# Allegro board F071_HCHO_V10.brd
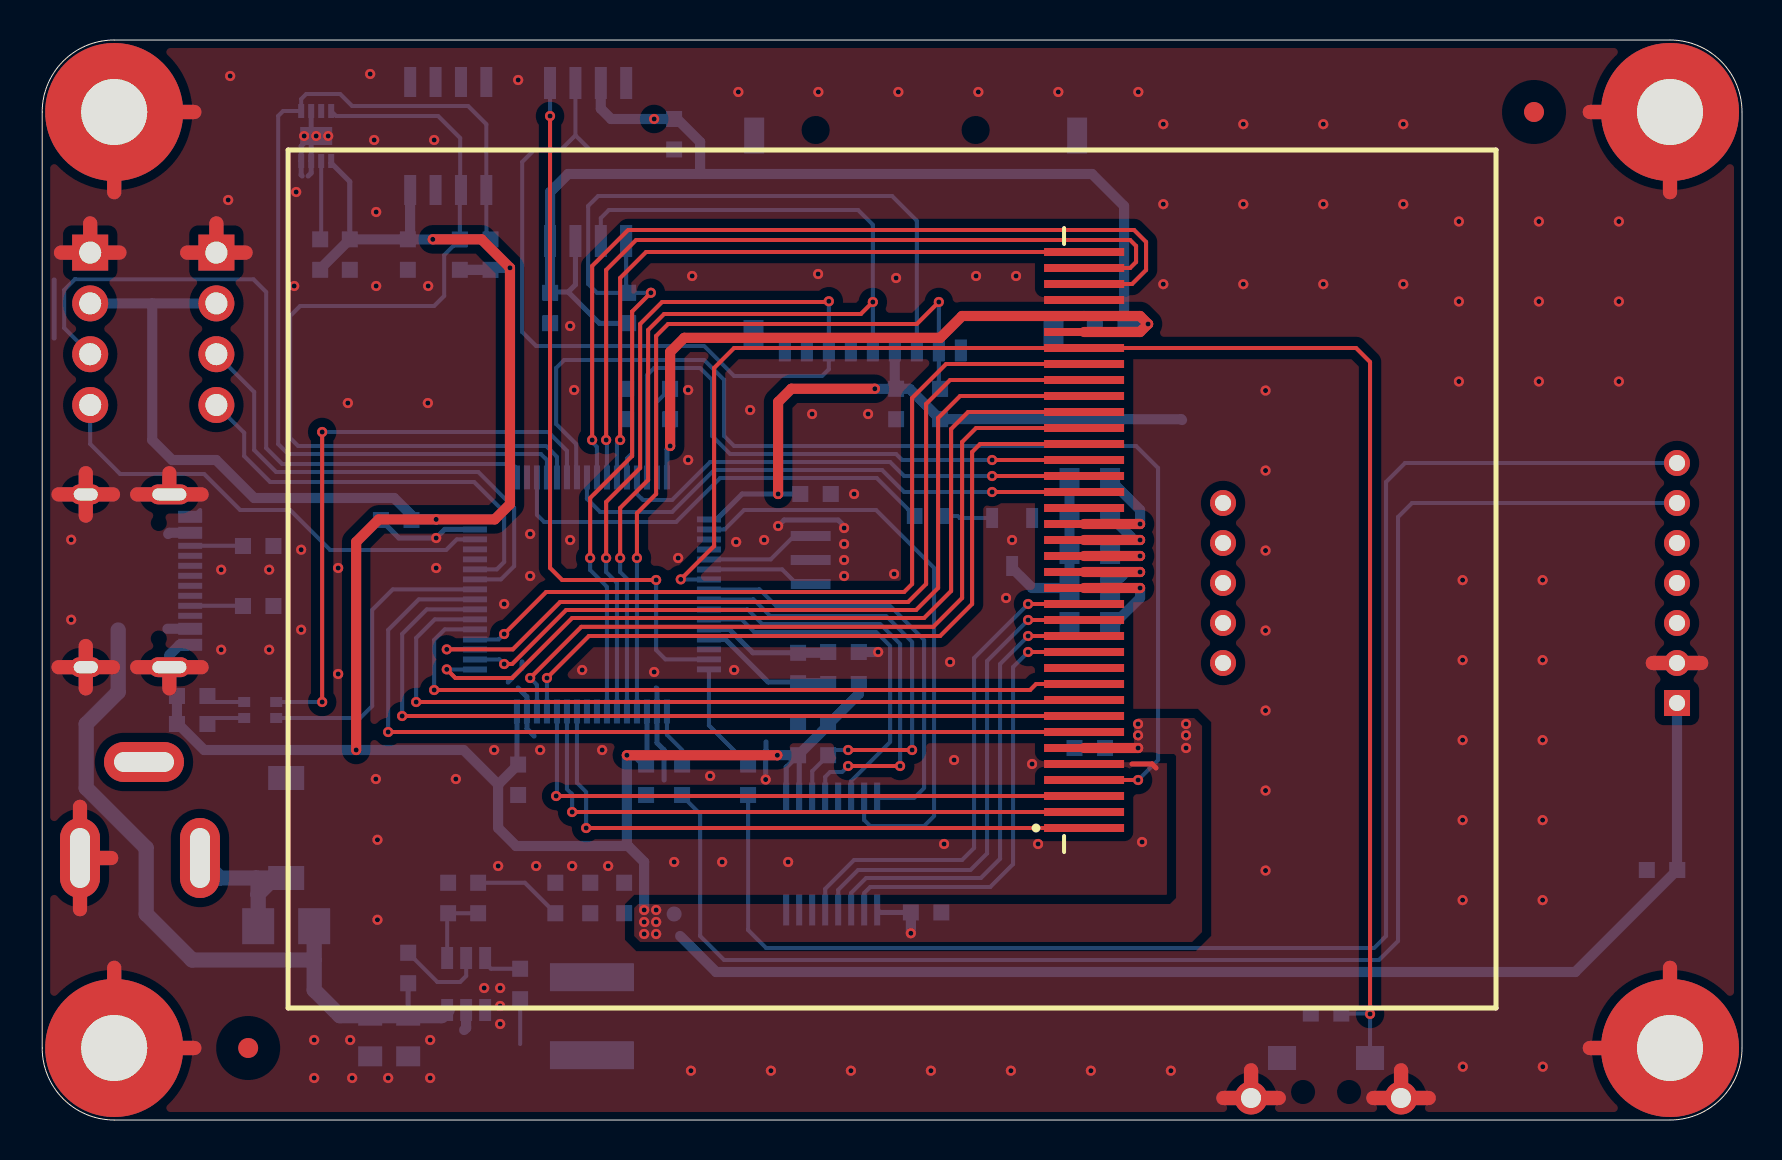
[diagram p0: board, top side]
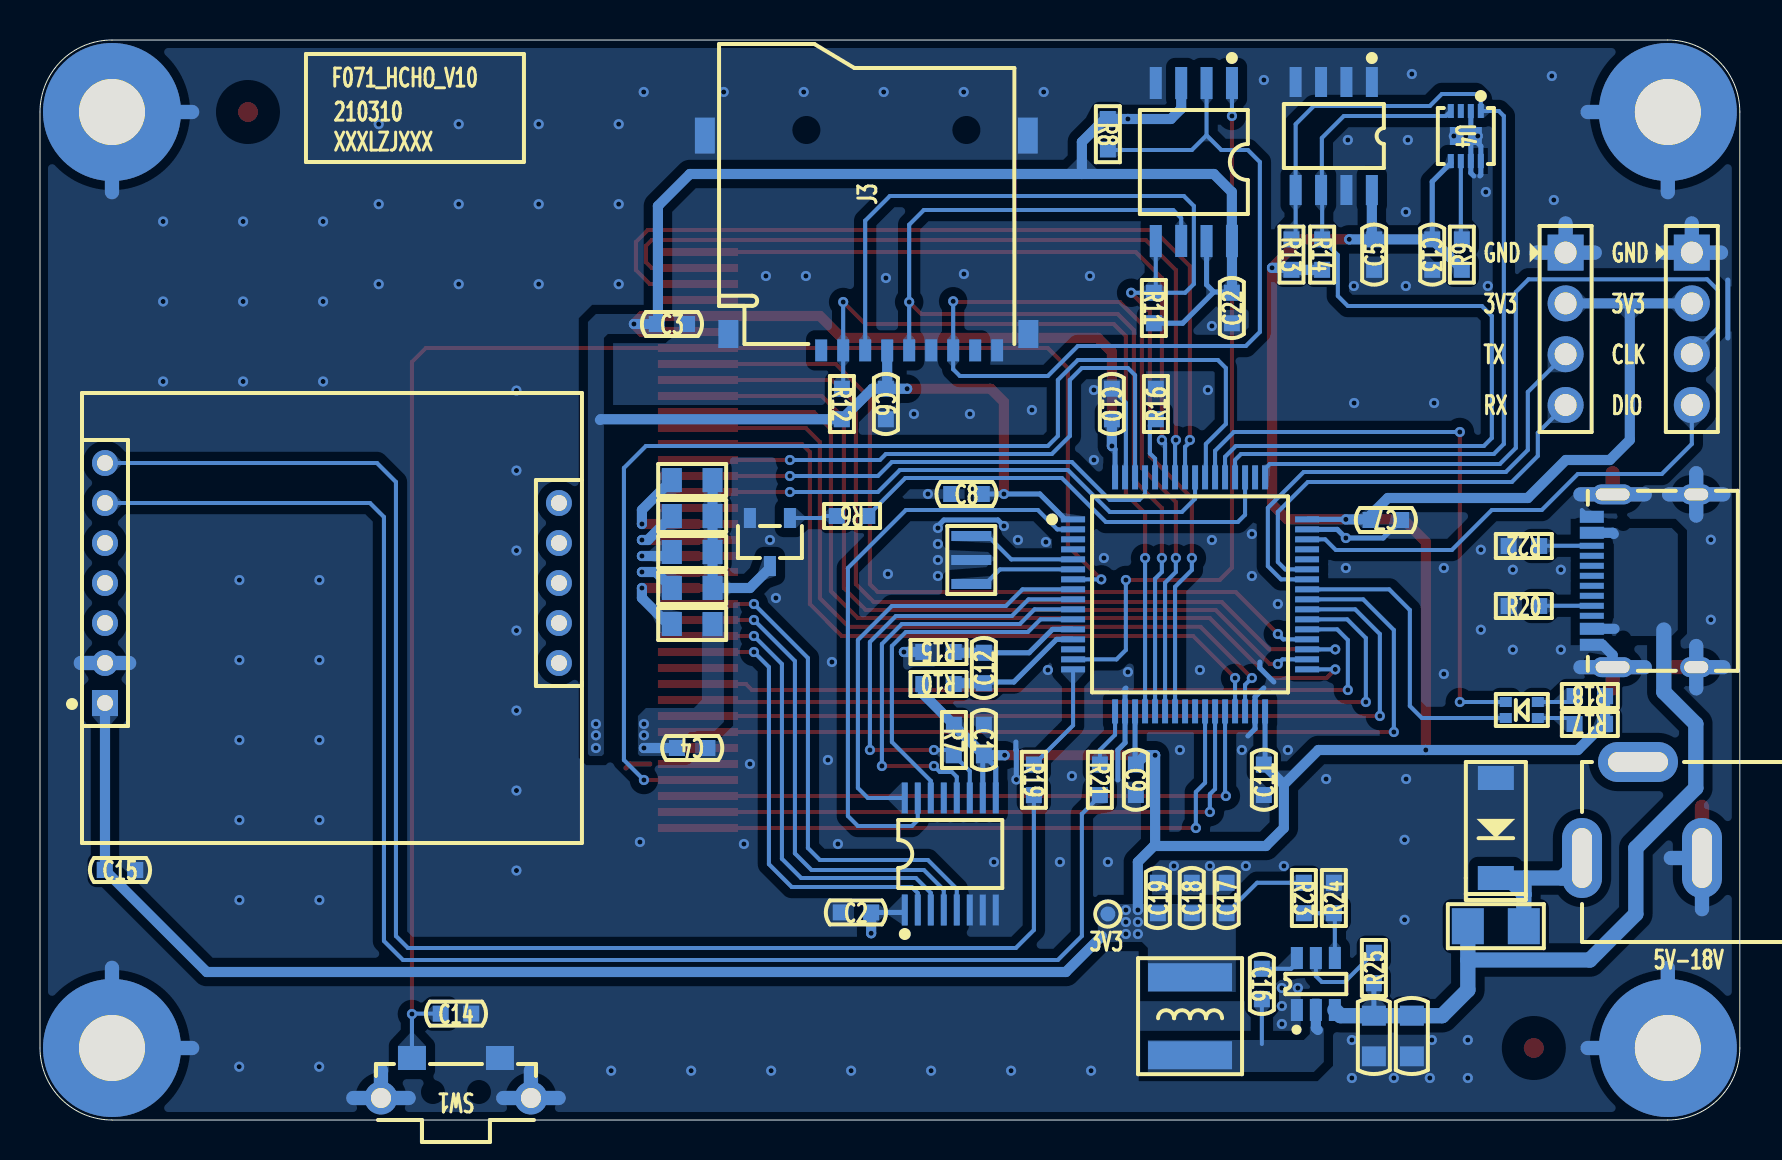
[diagram p1: board, bottom side, seen from below]

Outline 85 x 54 mm; copper layers: TOP, BOTTOM. Coordinates in mm from the lower left corner of the outline.
Outline path: 0,50.4 arc(1.05,52.95) 3.6,54 81.4,54 arc(83.95,52.95) 85,50.4 85,3.6 arc(83.95,1.05) 81.4,0 3.6,0 arc(1.05,1.05) 0,3.6 0,50.4

## Design rules (mm)
constraint set DEFAULT: min track width 0.203, pair gap 0.203

## Placement (name value [footprint] x y rotation side)
C1  100nF_50V  [C0603]  37.8 19 270 bottom
C2  100nF_50V  [C0603]  44.2 10.38 0 bottom
C3  10uF_10V  [C0603]  53.4 39.8 180 bottom
C4  100nF_50V  [C0603]  52.39 18.6 180 bottom
C5  100nF_50V  [C0603]  18.29 43.27 90 bottom
C6  100nF_50V  [C0603]  42.7 35.8 270 bottom
C7  100nF_50V  [C0603]  17.7 30 0 bottom
C8  100nF_50V  [C0603]  38.67 31.3 180 bottom
C9  100nF_50V  [C0603]  30.2 17.01 90 bottom
C10  100nF_50V  [C0603]  31.4 35.8 270 bottom
C11  100nF_50V  [C0603]  23.8 17.01 90 bottom
C12  100nF_50V  [C0603]  37.8 22.6 270 bottom
C13  100nF_50V  [C0603]  15.38 43.27 270 bottom
C14  100nF_50V  [C0603]  64.2 5.32 180 bottom
C15  100nF_50V  [C0603]  81 12.5 180 bottom
C16  100nF_50V  [C0603]  23.9 6.8 270 bottom
C17  10uF_10V  [C0603]  25.66 11.1 90 bottom
C18  10uF_10V  [C0603]  27.41 11.1 90 bottom
C19  10uF_10V  [C0603]  29.1 11.1 90 bottom
C20  10uF_25V  [C0805]  16.4 4.2 270 bottom
C21  10uF_25V  [C0805]  18.3 4.2 270 bottom
C22  100nF_50V  [C0603]  25.4 40.6 90 bottom
D3  SS33  [DO-214AC]  12.2 14.6 90 bottom
D4  -  [XL-2012SURUGC]  10.9 20.5 180 bottom
DC1  -  [DC005]  1.89 13.1 0 bottom
F1  0469005.WR  [FUSE1206]  12.2 9.69 0 bottom
J1  -  [CN1X4-2P54-Z]  8.71 43.37 270 bottom
J2  -  [CN1X4-2P54-Z]  2.4 43.37 270 bottom
J3  -  [TFCARD]  43.68 38.8 0 bottom
L1  SWPA5020S4R7MT  [L5020]  27.49 5.19 90 bottom
MH1  HOLD_M3/NI  [HOLD6R90X3R40]  3.6 3.6 0 top
MH2  HOLD_M3/NI  [HOLD6R90X3R40]  81.4 3.6 0 top
MH3  HOLD_M3/NI  [HOLD6R90X3R40]  3.6 50.4 0 top
MH4  HOLD_M3/NI  [HOLD6R90X3R40]  81.4 50.4 0 top
MP1  MP/NI  [MARKPOINT_R3]  10.3 3.6 0 top
MP2  MP/NI  [MARKPOINT_R3]  74.6 50.4 0 top
NOREF  -  []  0 0 90 top
NOREF#2  -  []  0 0 0 top
NOREF#3  -  []  3.6 3.6 90 top
NOREF#4  -  []  3.6 3.6 0 top
Q1  S8050  [SOT23-3]  48.5 28.9 0 bottom
R1  0R  [R0805]  52.39 24.8 180 bottom
R2  10R  [R0805]  52.39 26.6 180 bottom
R3  10R  [R0805]  52.39 28.4 180 bottom
R4  10R  [R0805]  52.39 30.2 180 bottom
R5  10R  [R0805]  52.39 32 180 bottom
R6  4.7K  [R0603]  44.39 30.2 0 bottom
R7  100K  [R0603]  39.3 19 270 bottom
R8  4.7K  [R0603]  31.6 49.29 270 bottom
R9  4.7K  [R0603]  13.9 43.27 90 bottom
R10  0R  [R0603]  40.07 21.8 0 bottom
R11  4.7K  [R0603]  29.3 40.6 270 bottom
R12  4.7K  [R0603]  44.9 35.8 270 bottom
R13  4.7K  [R0603]  22.42 43.27 270 bottom
R14  4.7K  [R0603]  20.89 43.27 270 bottom
R15  0R  [R0603]  40.07 23.4 0 bottom
R16  10K  [R0603]  29.2 35.8 90 bottom
R17  4.7K  [R0603]  7.5 19.8 0 bottom
R18  4.7K  [R0603]  7.5 21.2 0 bottom
R19  1K  [R0603]  35.3 17.01 270 bottom
R20  4.7K/NI  [R0603]  10.8 25.7 180 bottom
R21  1K  [R0603]  32 17.01 270 bottom
R22  4.7K  [R0603]  10.8 28.7 0 bottom
R23  300K  [R0603]  21.8 11.1 270 bottom
R24  96K  [R0603]  20.3 11.1 90 bottom
R25  100K  [R0603]  18.3 7.6 90 bottom
SW1  -  [K2-1112SW-A4SW-04]  64.2 1.4 0 bottom
TP1  TP/NI  [TP-0R75]  31.6 10.3 180 bottom
U1  STM32F071RBT6  [LQFP64-10X10X0R5]  27.49 26.28 270 bottom
U2  -  [TFT-2R4]  52.1 14.6 90 top
U3  XPT2046  [TSSOP16]  39.48 13.3 180 bottom
U4  SHT30-DIS-B  [DFN8]  13.7 49.2 270 bottom
U5  AT24C512  [SOIC8]  20.3 49.2 0 bottom
U7  -  [WZ-S-K]  70.4 25.1 180 bottom
U8  BL8032CB6TR  [SOT23-6]  21.2 6.8 180 bottom
U9  W25Q128JVSIQ  [SOIC8_208]  27.3 47.9 0 bottom
USB1  -  [TYPE-C-31-M-12]  7.4 26.96 90 bottom
X1  CSTCE8M00G52-R0  [X-3P-3R2X1R3-SMD]  38.43 28 270 bottom

## Library data of the parts
C1-C4 C7-C12 = CAP NP_2
C5 C6 C13-C22 = CAP NP
D3 = DIODE13_9
D4 = XL-2012SURUGC
DC1 = DC005
F1 = FUSE
J1 J2 = CONN RCPT 4
J3 = TFCARD_1
L1 = INDUCTOR_0
MH1-MH4 = Hold_1
MP1 MP2 = MarkPoint_0
Q1 = L14G1/TO_1
R1-R25 = R_Generic
SW1 = SWITCH-SPST-4P
TP1 = TestPoint
U1 = STM32F071RBT6
U2 = TFT-2R4
U3 = XPT2046
U4 = SHT30-DIS-B
U5 = AT24C512
U7 = WZ-S-K
U8 = BL8032CB6TR
U9 = W25Qxx
USB1 = TYPE-C_16P
X1 = XTAL_5032_0

## Footprints (pads in the part's own frame, mm; a bottom-side part is the same pattern mirrored in y, then rotated)
C0603
  rect 0.8x0.8 smd: 1(-0.762,0) 2(0.762,0)
C0805
  rect 1x1.2 smd: 1(-1.016,0) 2(1.016,0)
CN1X4-2P54-Z
  rect 1.8x1.8 hole 1.1: 1(0,0)
  round 1.8 hole 1.1: 2(2.54,0) 3(5.08,0) 4(7.62,0)
DC005
  oval 2x4 hole 1x3: 1(6,0) 2(0,0)
  oval 4x2 hole 3x1: 3(3.2,-4.8)
DFN8
  rect 0.7x0.3 smd: 1(-1.25,0.75) 2(-1.25,0.25) 3(-1.25,-0.25) 4(-1.25,-0.75) 5(1.25,-0.75) 6(1.25,-0.25) 7(1.25,0.25) 8(1.25,0.75)
  rect 0.9x1.6 smd: 9(0,0)
DO-214AC
  rect 1.2x1.8 smd: 1(2.5,0) 2(-2.5,0)
FUSE1206
  rect 1.6x1.8 smd: 1(-1.4,0) 2(1.4,0)
HOLD6R90X3R40
  round 6.9 hole 3.3: 1(0,0)
K2-1112SW-A4SW-04
  round 1.65 hole 1: 1(-3.75,0.3) 4(3.75,0.3)
  rect 1.4x1.2 smd: 2(-2.2,-1.7) 3(2.2,-1.7)
L5020
  rect 1.4x4.2 smd: 1(-1.95,0) 2(1.95,0)
LQFP64-10X10X0R5
  rect 0.3x1.2 smd: 1(-3.75,-5.85) 2(-3.25,-5.85) 3(-2.75,-5.85) 4(-2.25,-5.85) 5(-1.75,-5.85) 6(-1.25,-5.85) 7(-0.75,-5.85) 8(-0.25,-5.85) 9(0.25,-5.85) 10(0.75,-5.85) 11(1.25,-5.85) 12(1.75,-5.85) 13(2.25,-5.85) 14(2.75,-5.85) 15(3.25,-5.85) 16(3.75,-5.85) 33(3.75,5.85) 34(3.25,5.85) 35(2.75,5.85) 36(2.25,5.85) 37(1.75,5.85) 38(1.25,5.85) 39(0.75,5.85) 40(0.25,5.85) 41(-0.25,5.85) 42(-0.75,5.85) 43(-1.25,5.85) 44(-1.75,5.85) 45(-2.25,5.85) 46(-2.75,5.85) 47(-3.25,5.85) 48(-3.75,5.85)
  rect 1.2x0.3 smd: 17(5.85,-3.75) 18(5.85,-3.25) 19(5.85,-2.75) 20(5.85,-2.25) 21(5.85,-1.75) 22(5.85,-1.25) 23(5.85,-0.75) 24(5.85,-0.25) 25(5.85,0.25) 26(5.85,0.75) 27(5.85,1.25) 28(5.85,1.75) 29(5.85,2.25) 30(5.85,2.75) 31(5.85,3.25) 32(5.85,3.75) 49(-5.85,3.75) 50(-5.85,3.25) 51(-5.85,2.75) 52(-5.85,2.25) 53(-5.85,1.75) 54(-5.85,1.25) 55(-5.85,0.75) 56(-5.85,0.25) 57(-5.85,-0.25) 58(-5.85,-0.75) 59(-5.85,-1.25) 60(-5.85,-1.75) 61(-5.85,-2.25) 62(-5.85,-2.75) 63(-5.85,-3.25) 64(-5.85,-3.75)
MARKPOINT_R3
  round 1 smd: 1(0,0)
R0603
  rect 0.8x0.8 smd: 1(-0.762,0) 2(0.762,0)
R0805
  rect 1x1.2 smd: 1(-1.016,0) 2(1.016,0)
SOIC8
  rect 0.6x1.5 smd: 1(-1.9,-2.7) 2(-0.63,-2.7) 3(0.64,-2.7) 4(1.91,-2.7) 5(1.91,2.7) 6(0.64,2.7) 7(-0.63,2.7) 8(-1.9,2.7)
SOIC8_208
  rect 0.6x1.6 smd: 1(-1.905,-3.95) 2(-0.635,-3.95) 3(0.635,-3.95) 4(1.905,-3.95) 5(1.905,3.95) 6(0.635,3.95) 7(-0.635,3.95) 8(-1.905,3.95)
SOT23-3
  rect 0.6x1 smd: 1(-1,-1.2) 2(1,-1.2) 3(0,1.2)
SOT23-6
  rect 0.6x1.1 smd: 1(-0.95,-1.3) 2(0,-1.3) 3(0.95,-1.3) 4(0.95,1.3) 5(0,1.3) 6(-0.95,1.3)
TFCARD
  rect 0.6x1.1 smd: 1(2.26,0.32) 2(1.16,0.32) 3(0.06,0.32) 4(-1.04,0.32) 5(-2.14,0.32) 6(-3.24,0.32) 7(-4.34,0.32) 8(-5.44,0.32) 9(-6.54,0.32)
  rect 1x1.4 smd: 10(-8.1,-0.5) 13(6.9,-0.5)
  rect 1x1.8 smd: 11(-8.074,-10.422) 12(8.074,-10.422)
TFT-2R4
  rect 0.4x4 smd: 1(0,0) 2(0.8,0) 3(1.6,0) 4(2.4,0) 5(3.2,0) 6(4,0) 7(4.8,0) 8(5.6,0) 9(6.4,0) 10(7.2,0) 11(8,0) 12(8.8,0) 13(9.6,0) 14(10.4,0) 15(11.2,0) 16(12,0) 17(12.8,0) 18(13.6,0) 19(14.4,0) 20(15.2,0) 21(16,0) 22(16.8,0) 23(17.6,0) 24(18.4,0) 25(19.2,0) 26(20,0) 27(20.8,0) 28(21.6,0) 29(22.4,0) 30(23.2,0) 31(24,0) 32(24.8,0) 33(25.6,0) 34(26.4,0) 35(27.2,0) 36(28,0) 37(28.8,0)
TP-0R75
  round 0.75 smd: 1(0,0)
TSSOP16
  rect 0.3x1.55 smd: 1(-2.275,-2.8) 2(-1.625,-2.8) 3(-0.975,-2.8) 4(-0.325,-2.8) 5(0.325,-2.8) 6(0.975,-2.8) 7(1.625,-2.8) 8(2.275,-2.8) 9(2.275,2.8) 10(1.625,2.8) 11(0.975,2.8) 12(0.325,2.8) 13(-0.325,2.8) 14(-0.975,2.8) 15(-1.625,2.8) 16(-2.275,2.8)
TYPE-C-31-M-12
  rect 0.6x1.2 smd: 1(-3.2,0) 2(-2.4,0) 11(2.4,0) 12(3.2,0)
  rect 0.3x1.2 smd: 3(-1.75,0) 4(-1.25,0) 5(-0.75,0) 6(-0.25,0) 7(0.25,0) 8(0.75,0) 9(1.25,0) 10(1.75,0)
  oval 1x2.1 hole 0.6x1.7: 13(-4.32,-1.04) 14(4.32,-1.04)
  oval 1x1.6 hole 0.6x1.2: 15(-4.32,-5.22) 16(4.32,-5.22)
WZ-S-K
  rect 1.3x1.3 hole 0.8: 1(-11.35,-4.25)
  round 1.3 hole 0.8: 2(-11.35,-2.25) 3(-11.35,-0.25) 4(-11.35,1.75) 5(-11.35,3.75) 6(-11.35,5.75) 7(-11.35,7.75) 8(11.35,5.75) 9(11.35,3.75) 10(11.35,1.75) 11(11.35,-0.25) 12(11.35,-2.25)
X-3P-3R2X1R3-SMD
  rect 0.5x2 smd: 1(-1.2,0) 2(0,0) 3(1.2,0)
XL-2012SURUGC
  rect 0.6x0.5 smd: 1(-0.8,0.4) 2(0.8,0.4) 3(-0.8,-0.4) 4(0.8,-0.4)

## Nets
GND: C1.1 C2.2 C3.2 C4.2 C5.1 C6.2 C7.1 C8.1 C9.1 C10.1 C11.1 C13.2 C14.2 C15.2 C17.2 C18.2 C19.2 C20.2 C21.2 C22.1 D3.1 DC1.2 J1.1 J2.1 J3.6 J3.9 J3.10 J3.11 J3.12 J3.13 MH1.1 MH2.1 MH3.1 MH4.1 Q1.2(E) R15.2 R16.2 R20.1 R22.2 R24.2 SW1.1 SW1.2 SW1.4 U1.18 U1.31 U1.47 U1.63(VSS_4) U2.5 U2.34 U3.6 U3.7 U3.8 U4.2 U4.7 U4.8(VSS) U4.9 U5.1 U5.2 U5.3 U5.4 U5.7(WP) U7.2 U8.1 U9.4 USB1.1 USB1.12 USB1.13 USB1.14 USB1.15 USB1.16 X1.2
VCC_3.3V: C1.2 C2.1 C3.1 C4.1 C5.2 C6.1 C7.2 C8.2 C9.2 C10.2 C11.2 C13.1 C15.1 C17.1 C18.1 C19.1 C22.2 J1.2 J2.2 J3.4(VCC) L1.2 R1.2 R7.1 R8.1 R9.1 R10.2 R11.2 R12.2 R13.2 R14.2 R17.1 R18.1 R23.1 TP1.1 U1.1 U1.19 U1.32 U1.48 U1.64 U2.6 U2.32 U2.33 U3.1 U3.9 U3.10 U4.5 U5.8 U7.1(VCC_1) U9.3(W\P\) U9.7 U9.8
VCC_VIN: D3.2(ANODE_2) DC1.1 F1.1
VDDA: C12.2 R10.1 U1.13
VIN: C20.1 C21.1 F1.2 R25.1 U8.3(VIN) USB1.2 USB1.11(VBUS2)
VSSA: C12.1 R15.1 U1.12
BOOT0: R16.1 U1.60
CC1: R20.2 USB1.4
CC2: R22.1 USB1.10
F_CS: U1.15 U9.1
IIC_SCL: R14.1 U1.53 U4.4 U5.6
IIC_SDA: R13.1 U1.52 U4.1 U5.5
LCD_BL: R6.1 U1.51
LCD_CS: U1.40 U2.7
LCD_D0: U1.26 U2.1
LCD_D1: U1.27 U2.2
LCD_D2: U1.28 U2.3
LCD_D3: U1.55 U2.4
LCD_D4: U1.56 U2.22
LCD_D5: U1.57 U2.35
LCD_D6: U1.58 U2.36
LCD_D7: U1.59 U2.37
LCD_D8: U1.61 U2.23
LCD_D9: U1.62 U2.24
LCD_D10: U1.29 U2.25
LCD_D11: U1.30 U2.26
LCD_D12: U1.33 U2.27
LCD_D13: U1.34 U2.28
LCD_D14: U1.35 U2.29
LCD_D15: U1.36 U2.30
LCD_LEDA: R1.1 U2.16
LCD_LEDK1: R2.1 U2.17
LCD_LEDK2: R3.1 U2.18
LCD_LEDK3: R4.1 U2.19
LCD_LEDK4: R5.1 U2.20
LCD_RD: U1.37 U2.10
LCD_RS: U1.39 U2.8
LCD_WR: U1.38 U2.9
LED0: D4.3 U1.41
LED1: D4.1(R-) U1.54
NRST: C14.1 SW1.3 U1.7 U2.31
OSC_IN: U1.5 X1.1
OSC_OUT: U1.6 X1.3
SD_CS: J3.2 R12.1 U1.20
SPI1_MISO: J3.7 R8.2 U1.22 U9.2
SPI1_MOSI: J3.3 R11.1 U1.23 U9.5
SPI1_SCK: J3.5 U1.21 U9.6
SWCLK: J2.3 U1.49
SWDIO: J2.4 U1.46
T_CS: U1.2 U3.15
T_MISO: U1.10 U3.12
T_MOSI: U1.11 U3.14
T_PEN: R7.2 U1.9 U3.11
T_SCK: U1.8 U3.16
USART1_RX: J1.4 U1.43
USART1_TX: J1.3 U1.42
USART2_RX: R21.1 U1.17
USART2_TX: R19.1 U1.16
X+: U2.12 U3.2
X-: U2.14 U3.4
Y+: U2.13 U3.3(YP)
Y-: U2.15(Y-) U3.5
N17568604: Q1.3 R2.2 R3.2 R4.2 R5.2
N17578173: R9.2 U4.6
N17580382: D4.4 R17.2
N17580426: D4.2 R18.2
N17587514: C16.2 L1.1 U8.2
N17587548: C16.1 U8.6
N17587650: R25.2 U8.5
N17587654: R23.2 R24.1 U8.4
N17596668: R19.2 U7.7
N17596688: R21.2 U7.6
N175686811: Q1.1 R6.2

Pads without a net: DC1 3; J3 1 8; MP1 1; MP2 1; U1 3 4 14 24 25 44 45 50; U2 11 21; U3 13; U4 3; U7 3 4 5 8 9 10 11 12; USB1 3 5 6 7 8 9

## Via types
v1: diameter 0.508, hole 0.254, TOP to BOTTOM, 217 vias

## Routing (per net, layer and track width the routed paths; a pad name or vN(x,y) marks a point on that pad's centre or on a via; arc(x,y) is an arc through that point)
GND: length 184.5
  TOP w0.254: 55.7,17.6 55.5,17.8 54.5,17.8
  TOP w0.711: SW1.1 61.83,1.1 ; SW1.1 60.45,2.48 ; SW1.1 59.07,1.1 ; 3.6,7.61 MH1.1 7.61,3.6 ; 80.54,22.85 U7.2 82.96,22.85 ; 6.36,21.58 USB1.13 ; USB1.13 4.75,22.64 ; USB1.13 7.97,22.64 ; 3.6,46.39 MH3.1 7.61,50.4 ; 2.18,30.22 USB1.16 ; USB1.16 0.82,31.28 ; USB1.16 3.54,31.28 ; USB1.16 2.18,32.34 ; USB1.14 7.97,31.28 ; USB1.14 4.75,31.28 ; USB1.14 6.36,32.34 ; 0.94,43.37 J2.1 ; J2.1 2.4,44.83 ; J2.1 3.86,43.37 ; DC1.2 1.89,15.66 ; DC1.2 1.89,10.54 ; DC1.2 3.45,13.1 ; USB1.15 2.18,23.7 ; USB1.15 3.54,22.64 ; USB1.15 0.82,22.64 ; USB1.15 2.18,21.58 ; 81.4,46.39 MH4.1 77.39,50.4 ; SW1.4 67.95,2.48 ; SW1.4 69.33,1.1 ; SW1.4 66.57,1.1 ; J1.1 10.17,43.37 ; J1.1 7.25,43.37 ; J1.1 8.71,44.83 ; 81.4,7.61 MH2.1 77.39,3.6
  BOTTOM w0.203: 7.9,30.5 7.56,30.16 USB1.12 ; U1.63 30.7,32.17 30.7,35.86 C10.1
  BOTTOM w0.254: 30.7,21.6 30.74,21.56 30.74,18.86 31.1,18.5 31.1,17 ; U4.2 13.45,49.45 v1(13.7,49.2) 13.45,48.95 ; v1(40.1,29.6) 40.1,29.7 39.8,30 37.1,30 v1(36.8,29.7) ; 13.45,48.95 13.2,48.95 12.95,48.7 U4.8 12.95,47.25 13,47.2 ; 13.45,48.95 U4.7 13.45,47.35 13.3,47.2 ; 36.2,17 v1(36.18,17.02) 36.18,18.48 36.2,18.5 36.2,18.9 ; 24,22.9 24,22.6 23.3,21.9 ; 24.6,19.2 24.24,19.56 24.24,21.16 23.8,21.6 ; 0.6,42 0.6,39.1 ; U1.47 20.13,29.53 v1(19.7,29.1) 17.84,29.1 C7.1
  BOTTOM w0.508: R15.2 v1(41.8,23.4) ; USB1.13 6.36,23.25 6.87,23.76 USB1.1
  BOTTOM w0.711: SW1.1 61.83,1.1 ; SW1.1 59.07,1.1 ; SW1.1 60.45,2.48 ; J2.1 2.4,44.83 ; J2.1 0.94,43.37 ; J2.1 3.86,43.37 ; USB1.15 2.18,23.7 ; USB1.15 2.18,21.58 ; USB1.15 0.82,22.64 ; 0.82,31.28 USB1.16 ; USB1.16 2.18,32.34 ; USB1.16 3.54,31.28 ; USB1.16 2.18,30.22 ; 3.45,13.1 DC1.2 1.89,10.54 ; SW1.4 67.95,2.48 ; SW1.4 69.33,1.1 ; SW1.4 66.57,1.1 ; 7.97,22.64 USB1.13 4.75,22.64 ; 7.61,50.4 MH3.1 3.6,46.39 ; 81.4,7.61 MH2.1 77.39,3.6 ; 7.97,31.28 USB1.14 4.75,31.28 ; J1.1 8.71,44.83 ; J1.1 7.25,43.37 ; J1.1 10.17,43.37 ; 80.54,22.85 U7.2 82.96,22.85 ; 7.61,3.6 MH1.1 3.6,7.61 ; 77.39,50.4 MH4.1 81.4,46.39
  vias: v1(1.45,29.01) v1(1.45,25.01) v1(8.95,27.51) v1(8.95,23.51) v1(9.3,46) v1(9.4,52.2) v1(11.35,27.51) v1(11.35,23.51) v1(12.6,41.7) v1(12.7,46.4) v1(12.95,28.51) v1(12.95,24.51) v1(13.1,49.2) v1(13.6,4) v1(13.6,2.1) v1(14.3,49.2) v1(14.8,27.6) v1(14.8,22.3) v1(15.29,35.85) v1(15.4,4) v1(15.5,2.1) v1(16.4,52.3) v1(16.6,49) v1(16.7,45.4) v1(16.7,41.7) v1(16.69,17.05) v1(16.76,14.01) v1(16.76,10.01) v1(17.3,2.1) v1(19.3,41.7) v1(19.29,35.85) v1(19.4,4) v1(19.4,2.1) v1(19.6,49) v1(19.7,27.6) v1(20.69,17.05) v1(22.1,6.6) v1(22.6,18.5) v1(22.8,12.7) v1(22.9,6.6) v1(22.9,5.7) v1(22.9,4.8) v1(23.1,25.8) v1(23.8,52) v1(24.4,29.3) v1(24.4,27.2) v1(24.7,12.7) v1(24.9,18.5) v1(26.4,39.7) v1(26.4,29) v1(26.5,12.7) v1(26.6,36.5) v1(27,22.5) v1(28,18.5) v1(28.3,12.7) v1(30.6,22.4) v1(31.6,12.9) v1(31.8,28.1) v1(32.3,36.5) v1(32.3,33) v1(32.44,2.46) v1(32.5,42.2) v1(33.4,17.2) v1(34,12.9) v1(34.6,22.5) v1(34.7,28.9) v1(34.81,51.4) v1(35.4,35.5) v1(36.1,29) v1(36.44,2.46) v1(37.3,12.9) v1(38.5,35.3) v1(38.81,51.4) v1(38.8,42.3) v1(40.1,28.8) v1(40.1,28) v1(40.1,27.2) v1(40.44,2.46) v1(40.6,31.3) v1(41.3,35.3) v1(42.6,27.3) v1(42.7,42.1) v1(42.81,51.4) v1(44.44,2.46) v1(45.1,13.8) v1(45.4,22.9) v1(45.6,18) v1(46.7,42.2) v1(46.81,51.4) v1(48.2,26.1) v1(48.44,2.46) v1(48.5,29) v1(48.7,42.2) v1(49.5,17.8) v1(49.8,13.8) v1(50.81,51.4) v1(52.44,2.46) v1(54.81,51.4) v1(55,13.9) v1(56.06,49.79) v1(56.06,45.79) v1(56.06,41.79) v1(56.44,2.46) v1(60.06,49.79) v1(60.06,45.79) v1(60.06,41.79) v1(61.17,36.47) v1(61.17,32.47) v1(61.17,28.47) v1(61.17,24.47) v1(61.17,20.47) v1(61.17,16.47) v1(61.17,12.47) v1(64.06,49.79) v1(64.06,45.79) v1(64.06,41.79) v1(68.06,49.79) v1(68.06,45.79) v1(68.06,41.79) v1(70.84,44.93) v1(70.84,40.93) v1(70.84,36.93) v1(71.03,27) v1(71.03,23) v1(71.03,19) v1(71.03,15) v1(71.03,11) v1(71.04,2.66) v1(74.84,44.93) v1(74.84,40.93) v1(74.84,36.93) v1(75.03,27) v1(75.03,23) v1(75.03,19) v1(75.03,15) v1(75.03,11) v1(75.04,2.66) v1(78.84,44.93) v1(78.84,40.93) v1(78.84,36.93)
VCC_3.3V: length 342.5
  TOP w0.508: v1(41.64,36.56) 37.46,36.56 36.8,35.9 v1(36.8,31.3) ; v1(31.4,33.7) 31.4,38.4 32.11,39.11 44.91,39.11 46,40.2 U2.33 54.9,40.2 v1(55.3,39.8) 54.9,39.4 U2.32 ; v1(15.7,18.5) 15.7,28.9 16.83,30.03 v1(19.7,30.03) 22.63,30.03 23.39,30.79 v1(23.39,42.61) 21.97,44.03 v1(19.53,44.03) ; v1(36.76,18.24) v1(29.24,18.24) ; v1(54.8,18.6) U2.6
  BOTTOM w0.203: C17.1 24.14,11.86 R23.1
  BOTTOM w0.254: U3.1 41.88,10.38 C2.1 ; C13.1 15.38,46.92 14.45,47.85 U4.5 ; v1(31.4,33.7) 31.24,33.54 U1.64 ; C22.2 25.44,41.4 26.3,41.4 ; 26.3,41.4 27.86,39.84 R11.2 ; 26.3,41.4 26.66,41.77 U9.7 ; U1.1 33.73,30.03 35,31.3 v1(36.8,31.3) C8.2 ; 23.74,20.43 23.74,17.83 C11.2 ; C9.2 30.24,17.81 30.24,20.43 ; U3.10 37.86,18.18 C1.2 37.21,17.64 U3.9 ; U1.48 v1(19.7,30.03)
  BOTTOM w0.508: 29.3,13.7 29.24,13.76 v1(29.24,18.24) 29.73,18.24 C9.2 ; 29.3,13.7 23.7,13.7 22.8,14.6 22.8,16.77 ; 29.3,13.7 30.1,12.9 v1(30.1,10.5) ; J3.4 42.64,36.62 C6.1 ; C5.2 v1(19.53,44.03) ; C5.2 18.4,44.15 U5.8 ; C5.2 C13.1 13.9,42.55 R9.1 ; 57,35 56.96,35.04 R12.2 43.38,36.56 C6.1 ; v1(23.39,42.61) 22.52,42.61 R13.2 R14.2 ; C6.1 v1(41.64,36.56) ; 5.5,40.83 5.5,34 6.5,33 8.7,33 10.6,31.1 17.6,31.1 18.46,30.24 C7.2 18.49,30.03 v1(19.7,30.03) ; 5.5,40.83 J1.2 ; 5.5,40.83 J2.2 ; C4.1 v1(54.8,18.6) ; 32.9,47.3 52.5,47.3 54.1,45.7 54.1,39.86 C3.1 v1(55.3,39.8) ; 32.9,47.3 32.9,48.9 31.75,50.05 R8.1 v1(30.6,50.05) 28.45,50.05 27.93,50.56 U9.3 ; 32.9,47.3 26.3,47.3 25.4,46.4 25.4,43.95 U9.8 25.39,41.37 C22.2 ; 31.9,9.2 33.7,7.4 76.66,7.4 C15.1 81.75,12.51 U7.1 ; C11.2 22.8,16.77 ; 22.8,16.77 21.07,18.5 v1(15.7,18.5) 8.1,18.5 6.8,19.8 R17.1 R18.1 ; R10.2 40.83,21.29 R7.1 39.3,19.74 C1.2 v1(36.76,18.24) ; C2.1 v1(43.44,9.34) ; C10.2 v1(31.4,33.7)
  vias: v1(30.1,9.9) v1(30.1,9.3) v1(30.7,10.5) v1(30.7,9.9) v1(30.7,9.3) v1(54.8,19.8) v1(54.8,19.23) v1(57.2,19.8) v1(57.2,19.23) v1(57.2,18.6)
VCC_VIN: length 8.3
  BOTTOM w0.762: 10.79,11.29 10.79,12.01 10.7,12.1 ; 10.79,11.29 10.8,11.28 F1.1 ; 10.79,11.29 11.6,12.1 ; 10.7,12.1 8.89,12.1 DC1.1 ; 10.7,12.1 11.6,12.1 ; 11.6,12.1 D3.2
VDDA: length 6.9
  BOTTOM w0.254: C12.2 37.74,21.9 36.3,21.9 34.17,24.03 U1.13
  BOTTOM w0.508: R10.1 39.27,21.84 C12.2
VIN: length 39.8
  BOTTOM w0.254: R25.1 C21.1
  BOTTOM w0.508: USB1.2 6.26,24.56 ; USB1.11 6.36,29.36 6.3,29.3
  BOTTOM w0.762: 3.8,24.5 3.8,21.4 2.2,19.8 2.2,16.6 5.2,13.6 5.2,10.3 7.5,8 13.6,8 ; 13.6,8 13.6,6.5 14.88,5.22 C20.1 C21.1 19.97,5.22 U8.3 ; 13.6,8 F1.2
VSSA: length 6.5
  BOTTOM w0.254: U1.12 34.37,24.53 35.54,23.36 C12.1
  BOTTOM w0.508: R15.1 39.27,23.36 C12.1
BOOT0: length 3.1
  BOTTOM w0.203: U1.60 29.24,33.07 29.5,33.33 29.5,34.74 R16.1
CC1: length 2.6
  BOTTOM w0.203: USB1.4 10.03,25.71 R20.2
CC2: length 2.6
  BOTTOM w0.203: USB1.10 10.03,28.71 R22.1
F_CS: length 36.1
  TOP w0.203: v1(25.39,50.2) 25.39,27.61 26,27 v1(30.7,27)
  BOTTOM w0.203: U1.15 31.17,23.03 30.7,23.5 v1(30.7,27) ; v1(25.39,50.2) U9.1
IIC_SCL: length 44.2
  BOTTOM w0.203: U4.4 14.7,50.2 19.8,50.2 20.9,49.1 20.9,46.54 U5.6 20.89,46.45 R14.1 20.1,43.25 20.1,41.2 19.6,40.7 12.9,40.7 12.4,40.2 12.4,34.1 12.8,33.7 25.2,33.7 25.74,33.16 U1.53
IIC_SDA: length 48.7
  BOTTOM w0.203: U1.52 25.24,33 24.94,33.3 12.3,33.3 11.8,33.8 11.8,50.2 12.05,50.45 U4.1 12.95,51.05 13.2,51.3 14.9,51.3 15.5,50.7 21.3,50.7 22.21,49.79 U5.5 22.21,44.24 R13.1
LCD_BL: length 22.6
  BOTTOM w0.203: R6.1 41.73,32.1 33.9,32.1 31.7,29.9 25.1,29.9 24.74,30.26 U1.51
LCD_CS: length 44.9
  TOP w0.203: v1(17.3,19.4) U2.7
  BOTTOM w0.203: U1.40 18.83,26.03 17.3,24.5 v1(17.3,19.4)
LCD_D0: length 30.9
  TOP w0.203: U2.1 v1(27.2,14.6)
  BOTTOM w0.203: 26.74,20.43 26.74,16.86 27.2,16.4 v1(27.2,14.6)
LCD_D1: length 30.7
  TOP w0.203: U2.2 v1(26.5,15.4)
  BOTTOM w0.203: 26.24,20.43 26.24,16.55 26.5,16.29 v1(26.5,15.4)
LCD_D2: length 30.6
  TOP w0.203: U2.3 v1(25.7,16.2)
  BOTTOM w0.203: 25.74,20.43 25.74,16.24 v1(25.7,16.2)
LCD_D3: length 58.8
  TOP w0.203: v1(54.8,17) U2.4
  BOTTOM w0.203: U1.55 26.7,32.17 26.7,33.8 25.7,34.8 25.7,37.6 26.1,38 33.1,38 34.1,37 34.1,34.2 34.6,33.7 54.7,33.7 55.8,32.6 55.8,18 v1(54.8,17)
LCD_D4: length 27.5
  TOP w0.203: U2.22 v1(47.5,31.4)
  BOTTOM w0.203: v1(47.5,31.4) 43.1,31.4 42,32.5 33.6,32.5 31.5,30.4 27.9,30.4 27.24,31.06 U1.56
LCD_D5: length 44.2
  TOP w0.203: U2.35 54.5,41.8 55.2,42.5 55.2,43.9 54.6,44.5 29.3,44.5 27.5,42.7 v1(27.5,34)
  BOTTOM w0.203: v1(27.5,34) 27.5,33.9 27.74,33.66 U1.57
LCD_D6: length 41.2
  TOP w0.203: v1(28.2,34) 28.2,42.5 29.7,44 54.4,44 54.7,43.7 54.7,42.9 54.4,42.6 U2.36
  BOTTOM w0.203: v1(28.2,34) 28.24,33.96 U1.58
LCD_D7: length 33.8
  TOP w0.203: U2.37 30.2,43.4 28.9,42.1 v1(28.9,34)
  BOTTOM w0.203: U1.59 28.74,33.84 v1(28.9,34)
LCD_D8: length 24.4
  TOP w0.203: U2.23 v1(47.5,32.2)
  BOTTOM w0.203: U1.61 29.74,31.3 30.04,31 31.5,31 33.4,32.9 42.4,32.9 43.1,32.2 v1(47.5,32.2)
LCD_D9: length 30.7
  TOP w0.203: v1(47.5,33) U2.24
  BOTTOM w0.203: v1(47.5,33) 43,33 42.7,33.3 34.4,33.3 33.5,34.2 33.5,37 32.9,37.6 30.6,37.6 30.24,37.24 U1.62
LCD_D10: length 37.8
  TOP w0.203: v1(25.24,22.1) 27.34,24.2 44.9,24.2 46.5,25.8 46.5,33.4 46.9,33.8 U2.25
  BOTTOM w0.203: 25.24,20.43 v1(25.24,22.1)
LCD_D11: length 39.3
  TOP w0.203: U2.26 46.7,34.6 46,33.9 46,26.1 44.56,24.66 26.96,24.66 v1(24.4,22.1)
  BOTTOM w0.203: 24.74,20.43 24.74,21.76 v1(24.4,22.1)
LCD_D12: length 43.7
  TOP w0.203: U2.27 46.3,35.4 45.45,34.55 45.45,26.45 44.1,25.1 26.5,25.1 23.5,22.1 20.66,22.1 v1(20.23,22.53)
  BOTTOM w0.203: U1.33 v1(20.23,22.53)
LCD_D13: length 41.1
  TOP w0.203: v1(23.1,22.8) 23.5,22.8 26.2,25.5 43.7,25.5 44.8,26.6 44.8,35.1 45.9,36.2 U2.28
  BOTTOM w0.203: v1(23.1,22.8) 22.87,23.03 U1.34
LCD_D14: length 44.1
  TOP w0.203: v1(20.23,23.53) 23.53,23.53 25.9,25.9 43.3,25.9 44.2,26.8 44.2,35.8 45.4,37 U2.29
  BOTTOM w0.203: U1.35 v1(20.23,23.53)
LCD_D15: length 41.6
  TOP w0.203: U2.30 45.2,37.8 43.5,36.1 43.5,26.8 43.1,26.4 25.2,26.4 v1(23.1,24.3)
  BOTTOM w0.203: v1(23.1,24.3) 22.83,24.03 U1.36
LCD_LEDA: length 5.3
  TOP w0.508: U2.16 v1(54.9,26.6)
  BOTTOM w0.508: v1(54.9,26.6) 54.9,26.1 53.6,24.8 R1.1
LCD_LEDK1: length 4.6
  TOP w0.508: U2.17 v1(54.9,27.4)
  BOTTOM w0.508: R2.1 54.2,27.4 v1(54.9,27.4)
LCD_LEDK2: length 4.4
  TOP w0.508: U2.18 v1(54.9,28.2)
  BOTTOM w0.508: v1(54.9,28.2) 53.6,28.2 R3.1
LCD_LEDK3: length 4.8
  TOP w0.508: U2.19 v1(54.9,29)
  BOTTOM w0.508: v1(54.9,29) 54.6,29 R4.1
LCD_LEDK4: length 5.6
  TOP w0.508: U2.20 v1(54.9,29.8)
  BOTTOM w0.508: v1(54.9,29.8) 54.9,30.5 R5.1
LCD_RD: length 37.4
  TOP w0.203: v1(19.6,21.5) 49.4,21.5 49.7,21.8 U2.10
  BOTTOM w0.203: U1.37 20.13,24.53 19.6,24 v1(19.6,21.5)
LCD_RS: length 42.4
  TOP w0.203: v1(18,20.2) U2.8
  BOTTOM w0.203: v1(18,20.2) 18,24.3 19.23,25.53 U1.39
LCD_WR: length 40
  TOP w0.203: v1(18.7,20.9) 52,20.9 U2.9
  BOTTOM w0.203: v1(18.7,20.9) 18.7,24.1 19.63,25.03 U1.38
LED0: length 15.4
  BOTTOM w0.203: D4.3 15.9,20.1 16.5,20.7 16.5,25.5 17.53,26.53 U1.41
LED1: length 29.8
  TOP w0.203: v1(14,20.9) v1(14,34.4)
  BOTTOM w0.203: v1(14,34.4) 25.3,34.4 26.24,33.46 U1.54 ; D4.1 v1(14,20.9)
NRST: length 82.4
  TOP w0.203: v1(66.4,5.3) 66.4,37.9 65.7,38.6 U2.31 34.6,38.6 33.6,37.6 33.6,28.7 v1(31.93,27.03)
  BOTTOM w0.203: C14.1 66.38,5.32 v1(66.4,5.3) SW1.3 ; U1.7 v1(31.93,27.03)
OSC_IN: length 5.6
  BOTTOM w0.203: U1.5 36.43,28.03 37.6,29.2 X1.1
OSC_OUT: length 5.4
  BOTTOM w0.203: X1.3 37.73,26.8 37,27.53 U1.6
SD_CS: length 38.4
  TOP w0.203: v1(44.84,40.9) 43.74,39.8 31.3,39.8 30.7,39.2 30.7,31.3 29.74,30.34 v1(29.74,28.1)
  BOTTOM w0.203: v1(44.84,40.9) J3.2 44.84,36.62 R12.1 ; 29.74,20.43 v1(29.74,28.1)
SPI1_MISO: length 69.6
  TOP w0.203: v1(28.2,28.1) 28.2,30.9 29.9,32.6 29.9,39.8 31,40.9 39.3,40.9 v1(39.34,40.94)
  BOTTOM w0.203: R8.2 31.57,48.5 27.4,48.5 26.66,49.23 ; v1(39.34,40.94) J3.7 39.34,37.54 39,37.2 34.6,37.2 33.1,38.7 24.7,38.7 24,39.4 24,47.9 24.6,48.5 25.93,48.5 26.66,49.23 ; 26.66,49.23 U9.2 ; 28.74,20.43 28.74,26.86 28.2,27.4 v1(28.2,28.1)
SPI1_MOSI: length 56
  TOP w0.203: v1(30.44,41.36) 29.5,40.42 29.5,33.2 27.4,31.1 v1(27.4,28.1)
  BOTTOM w0.203: 28.24,20.43 28.24,26.66 27.4,27.5 v1(27.4,28.1) ; R11.1 v1(30.44,41.36) ; R11.1 29.2,41.46 29.2,43.95 ; R11.1 27.74,41.36 27.3,41.8 27.3,45.7 27.8,46.2 42.5,46.2 43.74,44.96 J3.3
SPI1_SCK: length 53.1
  TOP w0.203: v1(28.9,28.1) 28.9,30.6 30.3,32 30.3,39.5 31.1,40.3 40.94,40.3 v1(41.54,40.9)
  BOTTOM w0.203: J3.5 v1(41.54,40.9) 41.54,44.76 40.8,45.5 28.34,45.5 27.93,45.1 U9.6 ; 29.24,20.43 29.24,27.06 28.9,27.4 v1(28.9,28.1)
SWCLK: length 35.5
  BOTTOM w0.203: J2.3 2.4,38.3 1.1,39.6 1.1,41.5 1.63,42.03 10.57,42.03 11.2,41.4 11.2,33.6 12,32.8 23.5,32.8 23.74,32.56 U1.49
SWDIO: length 23.6
  BOTTOM w0.203: J2.4 2.4,33.8 3.9,32.3 8.1,32.3 9.9,30.5 12.4,30.5 14.4,28.5 20.2,28.5 20.73,29.03 U1.46
T_CS: length 30.2
  BOTTOM w0.203: U1.2 34.13,29.53 35.1,30.5 41.7,30.5 44.6,27.6 44.6,15.2 44.1,14.7 41.4,14.7 41.11,14.99 U3.15
T_MISO: length 21.4
  TOP w0.203: v1(40.3,17.7) v1(42.9,17.7)
  BOTTOM w0.203: v1(42.9,17.7) 42.9,23.8 41.9,24.8 36,24.8 35.27,25.53 U1.10 ; U3.12 39.16,17.16 39.4,17.4 40,17.4 v1(40.3,17.7)
T_MOSI: length 18
  BOTTOM w0.203: U3.14 40.46,16.96 42.4,18.9 42.4,23.7 41.7,24.4 35.6,24.4 34.97,25.03 U1.11
T_PEN: length 23.2
  TOP w0.203: v1(40.3,18.5) v1(43.5,18.5)
  BOTTOM w0.203: v1(40.3,18.5) 39.6,18.5 39.34,18.24 R7.2 38.51,17.44 U3.11 ; U1.9 35.57,26.03 36.4,25.2 42.2,25.2 43.5,23.9 v1(43.5,18.5)
T_SCK: length 21.8
  BOTTOM w0.203: U3.16 43.6,16.1 44.1,16.6 44.1,24 42.4,25.7 36.7,25.7 35.87,26.53 U1.8
USART1_RX: length 21.4
  BOTTOM w0.203: J1.4 10.1,34.36 10.1,33.2 11.4,31.9 21.6,31.9 23.1,30.4 23.1,27.9 22.73,27.53 U1.43
USART1_TX: length 24.9
  BOTTOM w0.203: U1.42 22.94,27.03 23.6,27.69 23.6,30.61 21.81,32.4 11.7,32.4 10.6,33.5 10.6,36.4 J1.3
USART2_RX: length 3
  BOTTOM w0.203: 31.24,20.43 31.24,19.26 32,18.5 R21.1
USART2_TX: length 5.6
  BOTTOM w0.203: U1.16 33.34,19.73 R19.1
X+: length 22.6
  TOP w0.203: U2.12 v1(49.3,23.4)
  BOTTOM w0.203: U3.2 41.11,11.35 41.41,11.65 47.41,11.65 48.55,12.79 48.55,22.65 v1(49.3,23.4)
X-: length 24.5
  TOP w0.203: U2.14 v1(49.3,25)
  BOTTOM w0.203: v1(49.3,25) 47.25,22.95 47.25,13.33 46.42,12.5 40.8,12.5 39.81,11.51 U3.4
Y+: length 23.5
  TOP w0.203: U2.13 v1(49.3,24.2)
  BOTTOM w0.203: v1(49.3,24.2) 47.9,22.8 47.9,13.06 46.94,12.1 41.2,12.1 40.46,11.36 U3.3
Y-: length 25.5
  TOP w0.203: U2.15 v1(49.3,25.8)
  BOTTOM w0.203: v1(49.3,25.8) 46.6,23.1 46.6,13.6 46,13 40.6,13 39.16,11.56 U3.5
N17568604: length 8.8
  BOTTOM w0.508: R5.2 R4.2 R3.2 R2.2 49.5,26.6 48.5,27.6 Q1.3
N17578173: length 3.9
  BOTTOM w0.203: U4.6 13.95,44.08 R9.2
N17580382: length 2
  BOTTOM w0.203: R17.2 8.56,20.1 D4.4
N17580426: length 2
  BOTTOM w0.203: D4.2 8.56,20.9 R18.2
N17587514: length 3.3
  BOTTOM w0.203: C16.2 23.9,3.8
  BOTTOM w0.508: 21.1,4.5 21.2,4.6 U8.2
N17587548: length 2.1
  BOTTOM w0.203: U8.6 22.15,7.85 22.44,7.56 C16.1
N17587650: length 4.5
  BOTTOM w0.203: R25.2 19.76,6.9 20.9,6.9 21.2,7.2 U8.5
N17587654: length 3.8
  BOTTOM w0.203: U8.4 20.25,10.29 R24.1 R23.2
N17596668: length 76.9
  BOTTOM w0.203: R19.2 35.3,9.5 36.2,8.6 66.6,8.6 67.2,9.2 67.2,31.9 68.15,32.85 U7.7
N17596688: length 78.7
  BOTTOM w0.203: R21.2 32,16.2 32.9,15.3 32.9,9.2 34.1,8 66.85,8 67.8,8.95 67.8,30.15 68.5,30.85 U7.6
N175686811: length 2.4
  BOTTOM w0.203: R6.2 45.78,30.2 45.88,30.1 Q1.1

## Copper pours and planes (outline as drawn; the poured copper is in the pictures)
GND on TOP: 84.6,3.6 83.66,1.34 81.4,0.4 3.6,0.4 1.34,1.34 0.4,3.6 0.4,50.4 1.34,52.66 3.6,53.6 81.4,53.6 83.66,52.66 84.6,50.4 ; 2 cut-outs
GND on BOTTOM: 84.6,3.6 83.66,1.34 81.4,0.4 3.6,0.4 1.34,1.34 0.4,3.6 0.4,50.4 1.34,52.66 3.6,53.6 81.4,53.6 83.66,52.66 84.6,50.4 ; 22 cut-outs
VCC_3.3V on TOP: 29.9,8.9 57.5,8.9 58,9.4 58,19.7 57.6,20.1 54.8,20.1 54.6,19.9 54.6,18.5 54.8,18.3 56.6,18.3 56.7,18.2 56.7,11.1 56.4,10.8 29.8,10.8 29.6,10.6 29.6,9.2
VCC_3.3V on BOTTOM: 25.2,10.8 25.2,6.4 29.6,6.4 29.6,8.6 29.9,8.9 31.8,8.9 32.1,9.2 32.1,10.6 31.9,10.8
VCC_3.3V on BOTTOM: 56.9,18.2 57.5,18.2 57.6,18.3 57.6,39.9 57.2,40.3 53.9,40.3 53.8,40.2 53.8,39.4 53.9,39.3 56.6,39.3 56.8,39.1 56.8,18.3
VCC_3.3V on BOTTOM: 50.8,25.4 50.8,19.9 51.3,19.4 52.5,19.4 52.7,19.2 52.7,18.4 52.9,18.2 55,18.2 55.1,18.3 55.1,20.2 54.7,20.6 52.3,20.6 51.9,21 51.9,25.3 51.8,25.4
VIN on BOTTOM: 8,29.6 3.4,29.6 3.1,29.3 3.1,24.5 3.4,24.2 8,24.2 8,24.8 7.9,24.9 6.5,24.9 6.3,25.1 6.3,28.8 6.5,29 8,29
N17587514 on BOTTOM: 29.6,2.4 21.3,2.4 20.8,2.9 20.8,6.1 21.5,6.1 21.5,4.3 21.8,4 29.6,4

Small or netless copper shapes (teardrops, artwork), in the pictures only: 42 on TOP, 258 on BOTTOM

## Text on the board
Ref Des/Silkscreen Bottom: 5V-18V | GND | 3V3 | CLK | DIO | TX | RX | 210310 | XXXLZJXXX | F071_HCHO_V10
DISPLAY_BOTTOM: FIGURE | FINISHED_SIZE | 0.254 | 0.8 | 1.0 | 1.1 | 3.3 | 1.2x0.6 | 1.7x0.6 | 3.0x1.0 | DRILL CHART: TOP to BOTTOM | ALL UNITS ARE IN MILLIMETERS | ROTATION | - | 0.000 | 90.000 | PLATED | QTY | 217 | 12 | 2 | 8 | 4 | 1 | 250 | TOTAL HOLES:
